# KiCad board trackpad.kicad_pcb (continued)
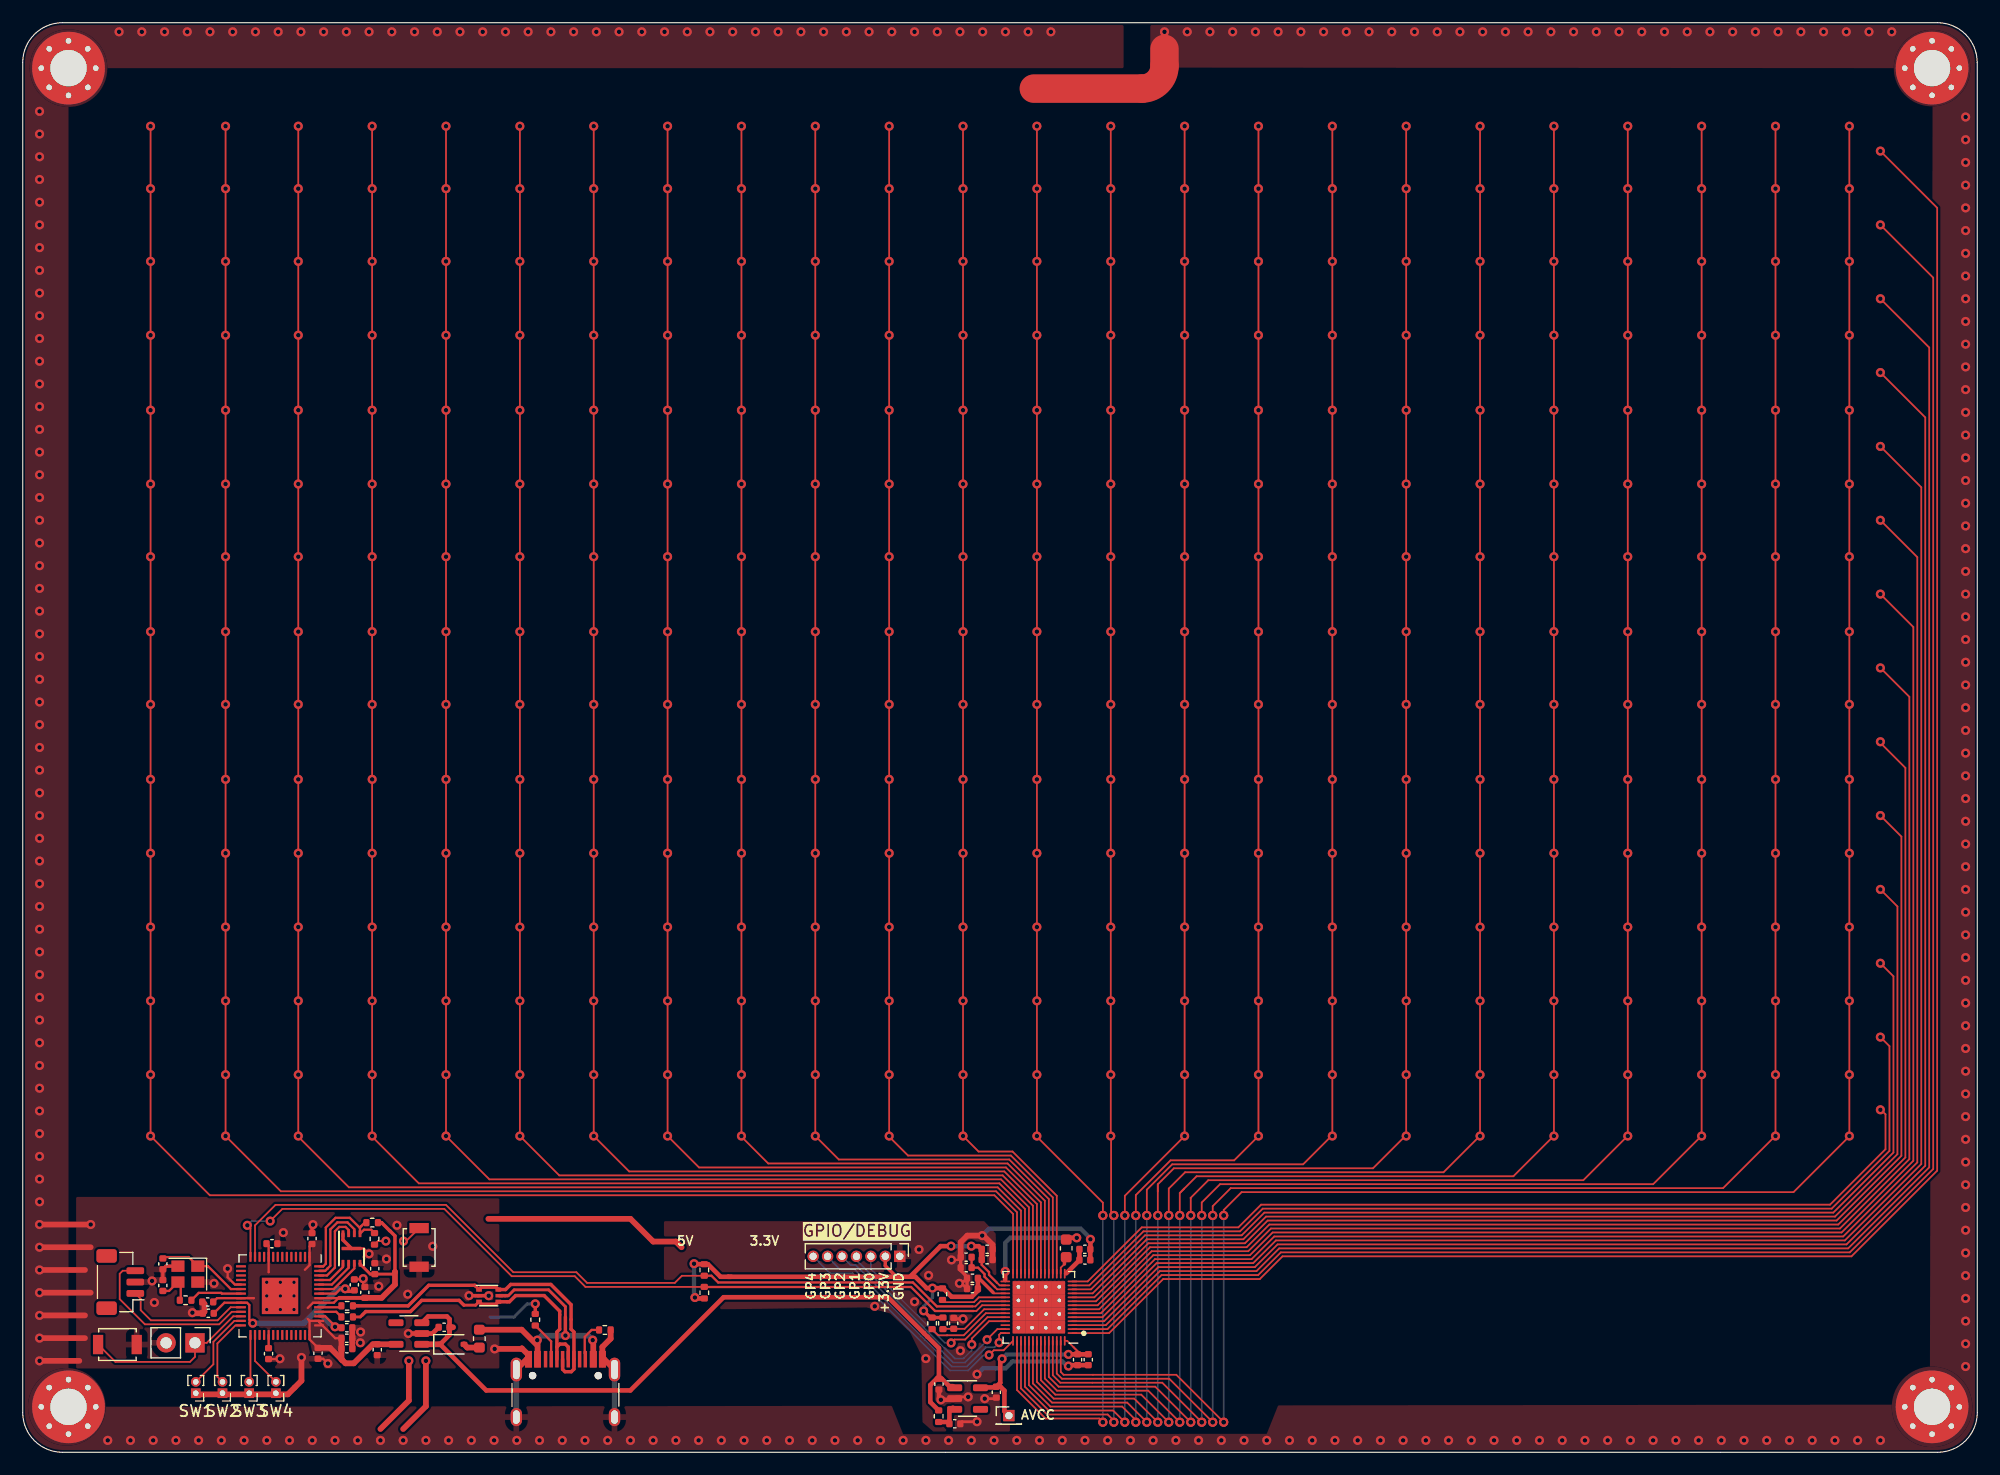
[diagram p0: board, top side]
## Copper pours and planes (outline as drawn; the poured copper is in the pictures) (continued)
/Sensor/Col3 on Bottom: 150.5,92 150.5,91.7 147.9,89.1 147.6,89.1 145,91.7 145,92 147.6,94.59 147.9,94.59
/Sensor/Col3 on Bottom: 150.5,59.5 150.5,59.2 147.9,56.6 147.6,56.6 145,59.2 145,59.5 147.6,62.09 147.9,62.09
/Sensor/Col3 on Bottom: 150.5,85.5 150.5,85.2 147.9,82.6 147.6,82.6 145,85.2 145,85.5 147.6,88.09 147.9,88.09
/Sensor/Col3 on Bottom: 150.5,33.5 150.5,33.2 147.9,30.6 147.6,30.6 145,33.2 145,33.5 147.6,36.09 147.9,36.09
/Sensor/Col3 on Bottom: 147.9,102.1 147.6,102.1 145,104.7 145,105 147.6,107.59 147.9,107.59 150.5,105 150.5,104.7
/Sensor/Col3 on Bottom: 147.9,115.1 147.6,115.1 145,117.7 145,117.85 150.5,117.85 150.5,117.7
/Sensor/Col3 on Bottom: 150.5,53 150.5,52.7 147.9,50.1 147.6,50.1 145,52.7 145,53 147.6,55.59 147.9,55.59
/Sensor/Col3 on Bottom: 150.5,66 150.5,65.7 147.9,63.1 147.6,63.1 145,65.7 145,66 147.6,68.59 147.9,68.59
/Sensor/Col3 on Bottom: 150.5,46.5 150.5,46.2 147.9,43.6 147.6,43.6 145,46.2 145,46.5 147.6,49.09 147.9,49.09
/Sensor/Col3 on Bottom: 150.5,79 150.5,78.7 147.9,76.1 147.6,76.1 145,78.7 145,79 147.6,81.59 147.9,81.59
/Sensor/Col4 on Bottom: 144,59.5 144,59.2 141.4,56.6 141.1,56.6 138.5,59.2 138.5,59.5 141.1,62.09 141.4,62.09
/Sensor/Col4 on Bottom: 141.4,29.59 144,27 144,26.85 138.5,26.85 138.5,27 141.1,29.59
/Sensor/Col4 on Bottom: 144,85.5 144,85.2 141.4,82.6 141.1,82.6 138.5,85.2 138.5,85.5 141.1,88.09 141.4,88.09
/Sensor/Col4 on Bottom: 144,40 144,39.7 141.4,37.1 141.1,37.1 138.5,39.7 138.5,40 141.1,42.59 141.4,42.59
/Sensor/Col4 on Bottom: 138.5,98.5 141.1,101.09 141.4,101.09 144,98.5 144,98.2 141.4,95.6 141.1,95.6 138.5,98.2
/Sensor/Col4 on Bottom: 144,111.5 144,111.2 141.4,108.6 141.1,108.6 138.5,111.2 138.5,111.5 141.1,114.09 141.4,114.09
/Sensor/Col4 on Bottom: 144,72.5 144,72.2 141.4,69.6 141.1,69.6 138.5,72.2 138.5,72.5 141.1,75.09 141.4,75.09
/Sensor/Col4 on Bottom: 144,66 144,65.7 141.4,63.1 141.1,63.1 138.5,65.7 138.5,66 141.1,68.59 141.4,68.59
/Sensor/Col4 on Bottom: 144,53 144,52.7 141.4,50.1 141.1,50.1 138.5,52.7 138.5,53 141.1,55.59 141.4,55.59
/Sensor/Col4 on Bottom: 144,79 144,78.7 141.4,76.1 141.1,76.1 138.5,78.7 138.5,79 141.1,81.59 141.4,81.59
/Sensor/Col4 on Bottom: 144,46.5 144,46.2 141.4,43.6 141.1,43.6 138.5,46.2 138.5,46.5 141.1,49.09 141.4,49.09
/Sensor/Col4 on Bottom: 144,105 144,104.7 141.4,102.1 141.1,102.1 138.5,104.7 138.5,105 141.1,107.59 141.4,107.59
/Sensor/Col4 on Bottom: 144,33.5 144,33.2 141.4,30.6 141.1,30.6 138.5,33.2 138.5,33.5 141.1,36.09 141.4,36.09
/Sensor/Col4 on Bottom: 144,92 144,91.7 141.4,89.1 141.1,89.1 138.5,91.7 138.5,92 141.1,94.59 141.4,94.59
/Sensor/Col4 on Bottom: 144,117.85 144,117.7 141.4,115.1 141.1,115.1 138.5,117.7 138.5,117.85
/Sensor/Col5 on Bottom: 134.9,29.59 137.5,27 137.5,26.85 132,26.85 132,27 134.6,29.59
/Sensor/Col5 on Bottom: 137.5,59.5 137.5,59.2 134.9,56.6 134.6,56.6 132,59.2 132,59.5 134.6,62.09 134.9,62.09
/Sensor/Col5 on Bottom: 132,117.85 137.5,117.85 137.5,117.7 134.9,115.1 134.6,115.1 132,117.7
/Sensor/Col5 on Bottom: 137.5,85.5 137.5,85.2 134.9,82.6 134.6,82.6 132,85.2 132,85.5 134.6,88.09 134.9,88.09
/Sensor/Col5 on Bottom: 137.5,92 137.5,91.7 134.9,89.1 134.6,89.1 132,91.7 132,92 134.6,94.59 134.9,94.59
/Sensor/Col5 on Bottom: 137.5,40 137.5,39.7 134.9,37.1 134.6,37.1 132,39.7 132,40 134.6,42.59 134.9,42.59
/Sensor/Col5 on Bottom: 137.5,46.5 137.5,46.2 134.9,43.6 134.6,43.6 132,46.2 132,46.5 134.6,49.09 134.9,49.09
/Sensor/Col5 on Bottom: 137.5,72.5 137.5,72.2 134.9,69.6 134.6,69.6 132,72.2 132,72.5 134.6,75.09 134.9,75.09
/Sensor/Col5 on Bottom: 137.5,105 137.5,104.7 134.9,102.1 134.6,102.1 132,104.7 132,105 134.6,107.59 134.9,107.59
/Sensor/Col5 on Bottom: 137.5,53 137.5,52.7 134.9,50.1 134.6,50.1 132,52.7 132,53 134.6,55.59 134.9,55.59
/Sensor/Col5 on Bottom: 137.5,98.5 137.5,98.2 134.9,95.6 134.6,95.6 132,98.2 132,98.5 134.6,101.09 134.9,101.09
/Sensor/Col5 on Bottom: 137.5,66 137.5,65.7 134.9,63.1 134.6,63.1 132,65.7 132,66 134.6,68.59 134.9,68.59
/Sensor/Col5 on Bottom: 137.5,79 137.5,78.7 134.9,76.1 134.6,76.1 132,78.7 132,79 134.6,81.59 134.9,81.59
/Sensor/Col5 on Bottom: 137.5,33.5 137.5,33.2 134.9,30.6 134.6,30.6 132,33.2 132,33.5 134.6,36.09 134.9,36.09
/Sensor/Col5 on Bottom: 134.6,108.6 132,111.2 132,111.5 134.6,114.09 134.9,114.09 137.5,111.5 137.5,111.2 134.9,108.6
/Sensor/Col6 on Bottom: 131,46.5 131,46.2 128.4,43.6 128.1,43.6 125.5,46.2 125.5,46.5 128.1,49.09 128.4,49.09
/Sensor/Col6 on Bottom: 131,53 131,52.7 128.4,50.1 128.1,50.1 125.5,52.7 125.5,53 128.1,55.59 128.4,55.59
/Sensor/Col6 on Bottom: 131,98.5 131,98.2 128.4,95.6 128.1,95.6 125.5,98.2 125.5,98.5 128.1,101.09 128.4,101.09
/Sensor/Col6 on Bottom: 131,33.5 131,33.2 128.4,30.6 128.1,30.6 125.5,33.2 125.5,33.5 128.1,36.09 128.4,36.09
/Sensor/Col6 on Bottom: 131,40 131,39.7 128.4,37.1 128.1,37.1 125.5,39.7 125.5,40 128.1,42.59 128.4,42.59
/Sensor/Col6 on Bottom: 131,59.5 131,59.2 128.4,56.6 128.1,56.6 125.5,59.2 125.5,59.5 128.1,62.09 128.4,62.09
/Sensor/Col6 on Bottom: 128.4,29.59 131,27 131,26.85 125.5,26.85 125.5,27 128.1,29.59
/Sensor/Col6 on Bottom: 125.5,117.7 125.5,117.85 131,117.85 131,117.7 128.4,115.1 128.1,115.1
/Sensor/Col6 on Bottom: 131,72.5 131,72.2 128.4,69.6 128.1,69.6 125.5,72.2 125.5,72.5 128.1,75.09 128.4,75.09
/Sensor/Col6 on Bottom: 131,79 131,78.7 128.4,76.1 128.1,76.1 125.5,78.7 125.5,79 128.1,81.59 128.4,81.59
/Sensor/Col6 on Bottom: 131,111.5 131,111.2 128.4,108.6 128.1,108.6 125.5,111.2 125.5,111.5 128.1,114.09 128.4,114.09
/Sensor/Col6 on Bottom: 131,105 131,104.7 128.4,102.1 128.1,102.1 125.5,104.7 125.5,105 128.1,107.59 128.4,107.59
/Sensor/Col6 on Bottom: 131,92 131,91.7 128.4,89.1 128.1,89.1 125.5,91.7 125.5,92 128.1,94.59 128.4,94.59
/Sensor/Col6 on Bottom: 131,66 131,65.7 128.4,63.1 128.1,63.1 125.5,65.7 125.5,66 128.1,68.59 128.4,68.59
/Sensor/Col6 on Bottom: 131,85.5 131,85.2 128.4,82.6 128.1,82.6 125.5,85.2 125.5,85.5 128.1,88.09 128.4,88.09
/Sensor/Col7 on Bottom: 121.9,29.59 124.5,27 124.5,26.85 119,26.85 119,27 121.6,29.59
/Sensor/Col7 on Bottom: 124.5,85.5 124.5,85.2 121.9,82.6 121.6,82.6 119,85.2 119,85.5 121.6,88.09 121.9,88.09
/Sensor/Col7 on Bottom: 124.5,59.5 124.5,59.2 121.9,56.6 121.6,56.6 119,59.2 119,59.5 121.6,62.09 121.9,62.09
/Sensor/Col7 on Bottom: 124.5,66 124.5,65.7 121.9,63.1 121.6,63.1 119,65.7 119,66 121.6,68.59 121.9,68.59
/Sensor/Col7 on Bottom: 124.5,79 124.5,78.7 121.9,76.1 121.6,76.1 119,78.7 119,79 121.6,81.59 121.9,81.59
/Sensor/Col7 on Bottom: 124.5,53 124.5,52.7 121.9,50.1 121.6,50.1 119,52.7 119,53 121.6,55.59 121.9,55.59
/Sensor/Col7 on Bottom: 124.5,98.5 124.5,98.2 121.9,95.6 121.6,95.6 119,98.2 119,98.5 121.6,101.09 121.9,101.09
/Sensor/Col7 on Bottom: 124.5,72.5 124.5,72.2 121.9,69.6 121.6,69.6 119,72.2 119,72.5 121.6,75.09 121.9,75.09
/Sensor/Col7 on Bottom: 124.5,40 124.5,39.7 121.9,37.1 121.6,37.1 119,39.7 119,40 121.6,42.59 121.9,42.59
/Sensor/Col7 on Bottom: 124.5,46.5 124.5,46.2 121.9,43.6 121.6,43.6 119,46.2 119,46.5 121.6,49.09 121.9,49.09
/Sensor/Col7 on Bottom: 124.5,33.5 124.5,33.2 121.9,30.6 121.6,30.6 119,33.2 119,33.5 121.6,36.09 121.9,36.09
/Sensor/Col7 on Bottom: 124.5,111.5 124.5,111.2 121.9,108.6 121.6,108.6 119,111.2 119,111.5 121.6,114.09 121.9,114.09
/Sensor/Col7 on Bottom: 124.5,105 124.5,104.7 121.9,102.1 121.6,102.1 119,104.7 119,105 121.6,107.59 121.9,107.59
/Sensor/Col7 on Bottom: 124.5,117.85 124.5,117.7 121.9,115.1 121.6,115.1 119,117.7 119,117.85
/Sensor/Col7 on Bottom: 124.5,92 124.5,91.7 121.9,89.1 121.6,89.1 119,91.7 119,92 121.6,94.59 121.9,94.59
/Sensor/Col8 on Bottom: 118,66 118,65.7 115.4,63.1 115.1,63.1 112.5,65.7 112.5,66 115.1,68.59 115.4,68.59
/Sensor/Col8 on Bottom: 118,72.5 118,72.2 115.4,69.6 115.1,69.6 112.5,72.2 112.5,72.5 115.1,75.09 115.4,75.09
/Sensor/Col8 on Bottom: 115.1,108.6 112.5,111.2 112.5,111.5 115.1,114.09 115.4,114.09 118,111.5 118,111.2 115.4,108.6
/Sensor/Col8 on Bottom: 118,85.5 118,85.2 115.4,82.6 115.1,82.6 112.5,85.2 112.5,85.5 115.1,88.09 115.4,88.09
/Sensor/Col8 on Bottom: 118,46.5 118,46.2 115.4,43.6 115.1,43.6 112.5,46.2 112.5,46.5 115.1,49.09 115.4,49.09
/Sensor/Col8 on Bottom: 118,53 118,52.7 115.4,50.1 115.1,50.1 112.5,52.7 112.5,53 115.1,55.59 115.4,55.59
/Sensor/Col8 on Bottom: 115.4,115.1 115.1,115.1 112.5,117.7 112.5,117.85 118,117.85 118,117.7
/Sensor/Col8 on Bottom: 118,92 118,91.7 115.4,89.1 115.1,89.1 112.5,91.7 112.5,92 115.1,94.59 115.4,94.59
/Sensor/Col8 on Bottom: 118,59.5 118,59.2 115.4,56.6 115.1,56.6 112.5,59.2 112.5,59.5 115.1,62.09 115.4,62.09
/Sensor/Col8 on Bottom: 118,33.5 118,33.2 115.4,30.6 115.1,30.6 112.5,33.2 112.5,33.5 115.1,36.09 115.4,36.09
/Sensor/Col8 on Bottom: 118,105 118,104.7 115.4,102.1 115.1,102.1 112.5,104.7 112.5,105 115.1,107.59 115.4,107.59
/Sensor/Col8 on Bottom: 115.4,29.59 118,27 118,26.85 112.5,26.85 112.5,27 115.1,29.59
/Sensor/Col8 on Bottom: 118,79 118,78.7 115.4,76.1 115.1,76.1 112.5,78.7 112.5,79 115.1,81.59 115.4,81.59
/Sensor/Col8 on Bottom: 118,98.5 118,98.2 115.4,95.6 115.1,95.6 112.5,98.2 112.5,98.5 115.1,101.09 115.4,101.09
/Sensor/Col8 on Bottom: 118,40 118,39.7 115.4,37.1 115.1,37.1 112.5,39.7 112.5,40 115.1,42.59 115.4,42.59
/Sensor/Col9 on Bottom: 111.5,117.7 108.9,115.1 108.6,115.1 106,117.7 106,117.85 111.5,117.85
/Sensor/Col9 on Bottom: 111.5,40 111.5,39.7 108.9,37.1 108.6,37.1 106,39.7 106,40 108.6,42.59 108.9,42.59
/Sensor/Col9 on Bottom: 111.5,79 111.5,78.7 108.9,76.1 108.6,76.1 106,78.7 106,79 108.6,81.59 108.9,81.59
/Sensor/Col9 on Bottom: 111.5,66 111.5,65.7 108.9,63.1 108.6,63.1 106,65.7 106,66 108.6,68.59 108.9,68.59
/Sensor/Col9 on Bottom: 111.5,53 111.5,52.7 108.9,50.1 108.6,50.1 106,52.7 106,53 108.6,55.59 108.9,55.59
/Sensor/Col9 on Bottom: 111.5,72.5 111.5,72.2 108.9,69.6 108.6,69.6 106,72.2 106,72.5 108.6,75.09 108.9,75.09
/Sensor/Col9 on Bottom: 111.5,46.5 111.5,46.2 108.9,43.6 108.6,43.6 106,46.2 106,46.5 108.6,49.09 108.9,49.09
/Sensor/Col9 on Bottom: 108.9,29.59 111.5,27 111.5,26.85 106,26.85 106,27 108.6,29.59
/Sensor/Col9 on Bottom: 111.5,85.5 111.5,85.2 108.9,82.6 108.6,82.6 106,85.2 106,85.5 108.6,88.09 108.9,88.09
/Sensor/Col9 on Bottom: 111.5,33.5 111.5,33.2 108.9,30.6 108.6,30.6 106,33.2 106,33.5 108.6,36.09 108.9,36.09
/Sensor/Col9 on Bottom: 111.5,98.5 111.5,98.2 108.9,95.6 108.6,95.6 106,98.2 106,98.5 108.6,101.09 108.9,101.09
/Sensor/Col9 on Bottom: 111.5,92 111.5,91.7 108.9,89.1 108.6,89.1 106,91.7 106,92 108.6,94.59 108.9,94.59
/Sensor/Col9 on Bottom: 111.5,59.5 111.5,59.2 108.9,56.6 108.6,56.6 106,59.2 106,59.5 108.6,62.09 108.9,62.09
/Sensor/Col9 on Bottom: 111.5,105 111.5,104.7 108.9,102.1 108.6,102.1 106,104.7 106,105 108.6,107.59 108.9,107.59
/Sensor/Col9 on Bottom: 108.9,108.6 108.6,108.6 106,111.2 106,111.5 108.6,114.09 108.9,114.09 111.5,111.5 111.5,111.2
/Sensor/Col10 on Bottom: 105,53 105,52.7 102.4,50.1 102.1,50.1 99.5,52.7 99.5,53 102.1,55.59 102.4,55.59
/Sensor/Col10 on Bottom: 105,33.5 105,33.2 102.4,30.6 102.1,30.6 99.5,33.2 99.5,33.5 102.1,36.09 102.4,36.09
/Sensor/Col10 on Bottom: 105,59.5 105,59.2 102.4,56.6 102.1,56.6 99.5,59.2 99.5,59.5 102.1,62.09 102.4,62.09
/Sensor/Col10 on Bottom: 105,66 105,65.7 102.4,63.1 102.1,63.1 99.5,65.7 99.5,66 102.1,68.59 102.4,68.59
/Sensor/Col10 on Bottom: 105,111.5 105,111.2 102.4,108.6 102.1,108.6 99.5,111.2 99.5,111.5 102.1,114.09 102.4,114.09
/Sensor/Col10 on Bottom: 105,46.5 105,46.2 102.4,43.6 102.1,43.6 99.5,46.2 99.5,46.5 102.1,49.09 102.4,49.09
/Sensor/Col10 on Bottom: 105,40 105,39.7 102.4,37.1 102.1,37.1 99.5,39.7 99.5,40 102.1,42.59 102.4,42.59
/Sensor/Col10 on Bottom: 105,79 105,78.7 102.4,76.1 102.1,76.1 99.5,78.7 99.5,79 102.1,81.59 102.4,81.59
/Sensor/Col10 on Bottom: 105,85.5 105,85.2 102.4,82.6 102.1,82.6 99.5,85.2 99.5,85.5 102.1,88.09 102.4,88.09
/Sensor/Col10 on Bottom: 105,92 105,91.7 102.4,89.1 102.1,89.1 99.5,91.7 99.5,92 102.1,94.59 102.4,94.59
/Sensor/Col10 on Bottom: 105,117.85 105,117.7 102.4,115.1 102.1,115.1 99.5,117.7 99.5,117.85
/Sensor/Col10 on Bottom: 105,98.5 105,98.2 102.4,95.6 102.1,95.6 99.5,98.2 99.5,98.5 102.1,101.09 102.4,101.09
/Sensor/Col10 on Bottom: 102.4,102.1 102.1,102.1 99.5,104.7 99.5,105 102.1,107.59 102.4,107.59 105,105 105,104.7
/Sensor/Col10 on Bottom: 105,72.5 105,72.2 102.4,69.6 102.1,69.6 99.5,72.2 99.5,72.5 102.1,75.09 102.4,75.09
/Sensor/Col10 on Bottom: 102.4,29.59 105,27 105,26.85 99.5,26.85 99.5,27 102.1,29.59
/Sensor/Col11 on Bottom: 98.5,98.5 98.5,98.2 95.9,95.6 95.6,95.6 93,98.2 93,98.5 95.6,101.09 95.9,101.09
/Sensor/Col11 on Bottom: 98.5,40 98.5,39.7 95.9,37.1 95.6,37.1 93,39.7 93,40 95.6,42.59 95.9,42.59
/Sensor/Col11 on Bottom: 98.5,79 98.5,78.7 95.9,76.1 95.6,76.1 93,78.7 93,79 95.6,81.59 95.9,81.59
/Sensor/Col11 on Bottom: 93,111.5 95.6,114.09 95.9,114.09 98.5,111.5 98.5,111.2 95.9,108.6 95.6,108.6 93,111.2
/Sensor/Col11 on Bottom: 98.5,46.5 98.5,46.2 95.9,43.6 95.6,43.6 93,46.2 93,46.5 95.6,49.09 95.9,49.09
/Sensor/Col11 on Bottom: 93,117.7 93,117.85 98.5,117.85 98.5,117.7 95.9,115.1 95.6,115.1
/Sensor/Col11 on Bottom: 95.9,29.59 98.5,27 98.5,26.85 93,26.85 93,27 95.6,29.59
/Sensor/Col11 on Bottom: 98.5,59.5 98.5,59.2 95.9,56.6 95.6,56.6 93,59.2 93,59.5 95.6,62.09 95.9,62.09
/Sensor/Col11 on Bottom: 98.5,66 98.5,65.7 95.9,63.1 95.6,63.1 93,65.7 93,66 95.6,68.59 95.9,68.59
/Sensor/Col11 on Bottom: 98.5,85.5 98.5,85.2 95.9,82.6 95.6,82.6 93,85.2 93,85.5 95.6,88.09 95.9,88.09
/Sensor/Col11 on Bottom: 98.5,92 98.5,91.7 95.9,89.1 95.6,89.1 93,91.7 93,92 95.6,94.59 95.9,94.59
/Sensor/Col11 on Bottom: 98.5,53 98.5,52.7 95.9,50.1 95.6,50.1 93,52.7 93,53 95.6,55.59 95.9,55.59
/Sensor/Col11 on Bottom: 98.5,105 98.5,104.7 95.9,102.1 95.6,102.1 93,104.7 93,105 95.6,107.59 95.9,107.59
/Sensor/Col11 on Bottom: 98.5,33.5 98.5,33.2 95.9,30.6 95.6,30.6 93,33.2 93,33.5 95.6,36.09 95.9,36.09
/Sensor/Col11 on Bottom: 98.5,72.5 98.5,72.2 95.9,69.6 95.6,69.6 93,72.2 93,72.5 95.6,75.09 95.9,75.09
/Sensor/Col12 on Bottom: 92,117.85 92,117.7 89.4,115.1 89.1,115.1 86.5,117.7 86.5,117.85
/Sensor/Col12 on Bottom: 92,33.5 92,33.2 89.4,30.6 89.1,30.6 86.5,33.2 86.5,33.5 89.1,36.09 89.4,36.09
/Sensor/Col12 on Bottom: 92,92 92,91.7 89.4,89.1 89.1,89.1 86.5,91.7 86.5,92 89.1,94.59 89.4,94.59
/Sensor/Col12 on Bottom: 92,72.5 92,72.2 89.4,69.6 89.1,69.6 86.5,72.2 86.5,72.5 89.1,75.09 89.4,75.09
/Sensor/Col12 on Bottom: 92,105 92,104.7 89.4,102.1 89.1,102.1 86.5,104.7 86.5,105 89.1,107.59 89.4,107.59
/Sensor/Col12 on Bottom: 92,46.5 92,46.2 89.4,43.6 89.1,43.6 86.5,46.2 86.5,46.5 89.1,49.09 89.4,49.09
/Sensor/Col12 on Bottom: 92,66 92,65.7 89.4,63.1 89.1,63.1 86.5,65.7 86.5,66 89.1,68.59 89.4,68.59
/Sensor/Col12 on Bottom: 92,79 92,78.7 89.4,76.1 89.1,76.1 86.5,78.7 86.5,79 89.1,81.59 89.4,81.59
/Sensor/Col12 on Bottom: 92,59.5 92,59.2 89.4,56.6 89.1,56.6 86.5,59.2 86.5,59.5 89.1,62.09 89.4,62.09
/Sensor/Col12 on Bottom: 92,85.5 92,85.2 89.4,82.6 89.1,82.6 86.5,85.2 86.5,85.5 89.1,88.09 89.4,88.09
/Sensor/Col12 on Bottom: 92,98.5 92,98.2 89.4,95.6 89.1,95.6 86.5,98.2 86.5,98.5 89.1,101.09 89.4,101.09
/Sensor/Col12 on Bottom: 89.4,29.59 92,27 92,26.85 86.5,26.85 86.5,27 89.1,29.59
/Sensor/Col12 on Bottom: 92,111.5 92,111.2 89.4,108.6 89.1,108.6 86.5,111.2 86.5,111.5 89.1,114.09 89.4,114.09
/Sensor/Col12 on Bottom: 92,40 92,39.7 89.4,37.1 89.1,37.1 86.5,39.7 86.5,40 89.1,42.59 89.4,42.59
/Sensor/Col12 on Bottom: 92,53 92,52.7 89.4,50.1 89.1,50.1 86.5,52.7 86.5,53 89.1,55.59 89.4,55.59
/Sensor/Col13 on Bottom: 85.5,98.5 85.5,98.2 82.9,95.6 82.6,95.6 80,98.2 80,98.5 82.6,101.09 82.9,101.09
/Sensor/Col13 on Bottom: 85.5,105 85.5,104.7 82.9,102.1 82.6,102.1 80,104.7 80,105 82.6,107.59 82.9,107.59
/Sensor/Col13 on Bottom: 85.5,66 85.5,65.7 82.9,63.1 82.6,63.1 80,65.7 80,66 82.6,68.59 82.9,68.59
/Sensor/Col13 on Bottom: 85.5,92 85.5,91.7 82.9,89.1 82.6,89.1 80,91.7 80,92 82.6,94.59 82.9,94.59
/Sensor/Col13 on Bottom: 85.5,46.5 85.5,46.2 82.9,43.6 82.6,43.6 80,46.2 80,46.5 82.6,49.09 82.9,49.09
/Sensor/Col13 on Bottom: 85.5,40 85.5,39.7 82.9,37.1 82.6,37.1 80,39.7 80,40 82.6,42.59 82.9,42.59
/Sensor/Col13 on Bottom: 85.5,59.5 85.5,59.2 82.9,56.6 82.6,56.6 80,59.2 80,59.5 82.6,62.09 82.9,62.09
/Sensor/Col13 on Bottom: 85.5,79 85.5,78.7 82.9,76.1 82.6,76.1 80,78.7 80,79 82.6,81.59 82.9,81.59
/Sensor/Col13 on Bottom: 85.5,72.5 85.5,72.2 82.9,69.6 82.6,69.6 80,72.2 80,72.5 82.6,75.09 82.9,75.09
/Sensor/Col13 on Bottom: 85.5,53 85.5,52.7 82.9,50.1 82.6,50.1 80,52.7 80,53 82.6,55.59 82.9,55.59
/Sensor/Col13 on Bottom: 82.9,115.1 82.6,115.1 80,117.7 80,117.85 85.5,117.85 85.5,117.7
/Sensor/Col13 on Bottom: 85.5,33.5 85.5,33.2 82.9,30.6 82.6,30.6 80,33.2 80,33.5 82.6,36.09 82.9,36.09
/Sensor/Col13 on Bottom: 82.9,29.59 85.5,27 85.5,26.85 80,26.85 80,27 82.6,29.59
/Sensor/Col13 on Bottom: 85.5,85.5 85.5,85.2 82.9,82.6 82.6,82.6 80,85.2 80,85.5 82.6,88.09 82.9,88.09
/Sensor/Col13 on Bottom: 85.5,111.2 82.9,108.6 82.6,108.6 80,111.2 80,111.5 82.6,114.09 82.9,114.09 85.5,111.5
/Sensor/Col14 on Bottom: 79,46.5 79,46.2 76.4,43.6 76.1,43.6 73.5,46.2 73.5,46.5 76.1,49.09 76.4,49.09
/Sensor/Col14 on Bottom: 76.4,29.59 79,27 79,26.85 73.5,26.85 73.5,27 76.1,29.59
/Sensor/Col14 on Bottom: 79,33.5 79,33.2 76.4,30.6 76.1,30.6 73.5,33.2 73.5,33.5 76.1,36.09 76.4,36.09
/Sensor/Col14 on Bottom: 79,111.5 79,111.2 76.4,108.6 76.1,108.6 73.5,111.2 73.5,111.5 76.1,114.09 76.4,114.09
/Sensor/Col14 on Bottom: 79,53 79,52.7 76.4,50.1 76.1,50.1 73.5,52.7 73.5,53 76.1,55.59 76.4,55.59
/Sensor/Col14 on Bottom: 79,92 79,91.7 76.4,89.1 76.1,89.1 73.5,91.7 73.5,92 76.1,94.59 76.4,94.59
/Sensor/Col14 on Bottom: 79,40 79,39.7 76.4,37.1 76.1,37.1 73.5,39.7 73.5,40 76.1,42.59 76.4,42.59
/Sensor/Col14 on Bottom: 79,117.85 79,117.7 76.4,115.1 76.1,115.1 73.5,117.7 73.5,117.85
/Sensor/Col14 on Bottom: 79,59.5 79,59.2 76.4,56.6 76.1,56.6 73.5,59.2 73.5,59.5 76.1,62.09 76.4,62.09
/Sensor/Col14 on Bottom: 79,79 79,78.7 76.4,76.1 76.1,76.1 73.5,78.7 73.5,79 76.1,81.59 76.4,81.59
/Sensor/Col14 on Bottom: 79,66 79,65.7 76.4,63.1 76.1,63.1 73.5,65.7 73.5,66 76.1,68.59 76.4,68.59
/Sensor/Col14 on Bottom: 79,85.5 79,85.2 76.4,82.6 76.1,82.6 73.5,85.2 73.5,85.5 76.1,88.09 76.4,88.09
/Sensor/Col14 on Bottom: 79,72.5 79,72.2 76.4,69.6 76.1,69.6 73.5,72.2 73.5,72.5 76.1,75.09 76.4,75.09
/Sensor/Col14 on Bottom: 73.5,105 76.1,107.59 76.4,107.59 79,105 79,104.7 76.4,102.1 76.1,102.1 73.5,104.7
/Sensor/Col14 on Bottom: 79,98.5 79,98.2 76.4,95.6 76.1,95.6 73.5,98.2 73.5,98.5 76.1,101.09 76.4,101.09
/Sensor/Col15 on Bottom: 72.5,111.5 72.5,111.2 69.9,108.6 69.6,108.6 67,111.2 67,111.5 69.6,114.09 69.9,114.09
/Sensor/Col15 on Bottom: 72.5,117.85 72.5,117.7 69.9,115.1 69.6,115.1 67,117.7 67,117.85
/Sensor/Col15 on Bottom: 72.5,79 72.5,78.7 69.9,76.1 69.6,76.1 67,78.7 67,79 69.6,81.59 69.9,81.59
/Sensor/Col15 on Bottom: 72.5,98.5 72.5,98.2 69.9,95.6 69.6,95.6 67,98.2 67,98.5 69.6,101.09 69.9,101.09
/Sensor/Col15 on Bottom: 72.5,66 72.5,65.7 69.9,63.1 69.6,63.1 67,65.7 67,66 69.6,68.59 69.9,68.59
/Sensor/Col15 on Bottom: 72.5,72.5 72.5,72.2 69.9,69.6 69.6,69.6 67,72.2 67,72.5 69.6,75.09 69.9,75.09
/Sensor/Col15 on Bottom: 72.5,46.5 72.5,46.2 69.9,43.6 69.6,43.6 67,46.2 67,46.5 69.6,49.09 69.9,49.09
/Sensor/Col15 on Bottom: 69.9,29.59 72.5,27 72.5,26.85 67,26.85 67,27 69.6,29.59
/Sensor/Col15 on Bottom: 72.5,33.5 72.5,33.2 69.9,30.6 69.6,30.6 67,33.2 67,33.5 69.6,36.09 69.9,36.09
/Sensor/Col15 on Bottom: 72.5,40 72.5,39.7 69.9,37.1 69.6,37.1 67,39.7 67,40 69.6,42.59 69.9,42.59
/Sensor/Col15 on Bottom: 72.5,53 72.5,52.7 69.9,50.1 69.6,50.1 67,52.7 67,53 69.6,55.59 69.9,55.59
/Sensor/Col15 on Bottom: 72.5,92 72.5,91.7 69.9,89.1 69.6,89.1 67,91.7 67,92 69.6,94.59 69.9,94.59
/Sensor/Col15 on Bottom: 72.5,105 72.5,104.7 69.9,102.1 69.6,102.1 67,104.7 67,105 69.6,107.59 69.9,107.59
/Sensor/Col15 on Bottom: 72.5,59.5 72.5,59.2 69.9,56.6 69.6,56.6 67,59.2 67,59.5 69.6,62.09 69.9,62.09
/Sensor/Col15 on Bottom: 72.5,85.5 72.5,85.2 69.9,82.6 69.6,82.6 67,85.2 67,85.5 69.6,88.09 69.9,88.09
/Sensor/Col16 on Bottom: 66,72.5 66,72.2 63.4,69.6 63.1,69.6 60.5,72.2 60.5,72.5 63.1,75.09 63.4,75.09
/Sensor/Col16 on Bottom: 63.4,29.59 66,27 66,26.85 60.5,26.85 60.5,27 63.1,29.59
/Sensor/Col16 on Bottom: 66,53 66,52.7 63.4,50.1 63.1,50.1 60.5,52.7 60.5,53 63.1,55.59 63.4,55.59
/Sensor/Col16 on Bottom: 66,85.5 66,85.2 63.4,82.6 63.1,82.6 60.5,85.2 60.5,85.5 63.1,88.09 63.4,88.09
/Sensor/Col16 on Bottom: 66,66 66,65.7 63.4,63.1 63.1,63.1 60.5,65.7 60.5,66 63.1,68.59 63.4,68.59
/Sensor/Col16 on Bottom: 66,105 66,104.7 63.4,102.1 63.1,102.1 60.5,104.7 60.5,105 63.1,107.59 63.4,107.59
/Sensor/Col16 on Bottom: 66,98.5 66,98.2 63.4,95.6 63.1,95.6 60.5,98.2 60.5,98.5 63.1,101.09 63.4,101.09
/Sensor/Col16 on Bottom: 66,33.5 66,33.2 63.4,30.6 63.1,30.6 60.5,33.2 60.5,33.5 63.1,36.09 63.4,36.09
/Sensor/Col16 on Bottom: 66,46.5 66,46.2 63.4,43.6 63.1,43.6 60.5,46.2 60.5,46.5 63.1,49.09 63.4,49.09
/Sensor/Col16 on Bottom: 66,40 66,39.7 63.4,37.1 63.1,37.1 60.5,39.7 60.5,40 63.1,42.59 63.4,42.59
/Sensor/Col16 on Bottom: 66,59.5 66,59.2 63.4,56.6 63.1,56.6 60.5,59.2 60.5,59.5 63.1,62.09 63.4,62.09
/Sensor/Col16 on Bottom: 66,92 66,91.7 63.4,89.1 63.1,89.1 60.5,91.7 60.5,92 63.1,94.59 63.4,94.59
/Sensor/Col16 on Bottom: 63.4,115.1 63.1,115.1 60.5,117.7 60.5,117.85 66,117.85 66,117.7
/Sensor/Col16 on Bottom: 66,111.5 66,111.2 63.4,108.6 63.1,108.6 60.5,111.2 60.5,111.5 63.1,114.09 63.4,114.09
/Sensor/Col16 on Bottom: 66,79 66,78.7 63.4,76.1 63.1,76.1 60.5,78.7 60.5,79 63.1,81.59 63.4,81.59
/Sensor/Col17 on Bottom: 59.5,40 59.5,39.7 56.9,37.1 56.6,37.1 54,39.7 54,40 56.6,42.59 56.9,42.59
/Sensor/Col17 on Bottom: 56.9,114.09 59.5,111.5 59.5,111.2 56.9,108.6 56.6,108.6 54,111.2 54,111.5 56.6,114.09
/Sensor/Col17 on Bottom: 59.5,66 59.5,65.7 56.9,63.1 56.6,63.1 54,65.7 54,66 56.6,68.59 56.9,68.59
/Sensor/Col17 on Bottom: 59.5,53 59.5,52.7 56.9,50.1 56.6,50.1 54,52.7 54,53 56.6,55.59 56.9,55.59
/Sensor/Col17 on Bottom: 59.5,92 59.5,91.7 56.9,89.1 56.6,89.1 54,91.7 54,92 56.6,94.59 56.9,94.59
/Sensor/Col17 on Bottom: 59.5,117.85 59.5,117.7 56.9,115.1 56.6,115.1 54,117.7 54,117.85
/Sensor/Col17 on Bottom: 59.5,59.5 59.5,59.2 56.9,56.6 56.6,56.6 54,59.2 54,59.5 56.6,62.09 56.9,62.09
/Sensor/Col17 on Bottom: 59.5,46.5 59.5,46.2 56.9,43.6 56.6,43.6 54,46.2 54,46.5 56.6,49.09 56.9,49.09
/Sensor/Col17 on Bottom: 59.5,72.5 59.5,72.2 56.9,69.6 56.6,69.6 54,72.2 54,72.5 56.6,75.09 56.9,75.09
/Sensor/Col17 on Bottom: 59.5,33.5 59.5,33.2 56.9,30.6 56.6,30.6 54,33.2 54,33.5 56.6,36.09 56.9,36.09
/Sensor/Col17 on Bottom: 56.9,29.59 59.5,27 59.5,26.85 54,26.85 54,27 56.6,29.59
/Sensor/Col17 on Bottom: 59.5,85.5 59.5,85.2 56.9,82.6 56.6,82.6 54,85.2 54,85.5 56.6,88.09 56.9,88.09
/Sensor/Col17 on Bottom: 59.5,79 59.5,78.7 56.9,76.1 56.6,76.1 54,78.7 54,79 56.6,81.59 56.9,81.59
/Sensor/Col17 on Bottom: 59.5,105 59.5,104.7 56.9,102.1 56.6,102.1 54,104.7 54,105 56.6,107.59 56.9,107.59
/Sensor/Col17 on Bottom: 59.5,98.5 59.5,98.2 56.9,95.6 56.6,95.6 54,98.2 54,98.5 56.6,101.09 56.9,101.09
/Sensor/Col18 on Bottom: 53,59.5 53,59.2 50.4,56.6 50.1,56.6 47.5,59.2 47.5,59.5 50.1,62.09 50.4,62.09
/Sensor/Col18 on Bottom: 53,105 53,104.7 50.4,102.1 50.1,102.1 47.5,104.7 47.5,105 50.1,107.59 50.4,107.59
/Sensor/Col18 on Bottom: 53,46.5 53,46.2 50.4,43.6 50.1,43.6 47.5,46.2 47.5,46.5 50.1,49.09 50.4,49.09
/Sensor/Col18 on Bottom: 53,85.5 53,85.2 50.4,82.6 50.1,82.6 47.5,85.2 47.5,85.5 50.1,88.09 50.4,88.09
/Sensor/Col18 on Bottom: 50.4,115.1 50.1,115.1 47.5,117.7 47.5,117.85 53,117.85 53,117.7
/Sensor/Col18 on Bottom: 53,53 53,52.7 50.4,50.1 50.1,50.1 47.5,52.7 47.5,53 50.1,55.59 50.4,55.59
/Sensor/Col18 on Bottom: 53,111.5 53,111.2 50.4,108.6 50.1,108.6 47.5,111.2 47.5,111.5 50.1,114.09 50.4,114.09
/Sensor/Col18 on Bottom: 50.4,29.59 53,27 53,26.85 47.5,26.85 47.5,27 50.1,29.59
/Sensor/Col18 on Bottom: 53,72.5 53,72.2 50.4,69.6 50.1,69.6 47.5,72.2 47.5,72.5 50.1,75.09 50.4,75.09
/Sensor/Col18 on Bottom: 53,66 53,65.7 50.4,63.1 50.1,63.1 47.5,65.7 47.5,66 50.1,68.59 50.4,68.59
/Sensor/Col18 on Bottom: 53,92 53,91.7 50.4,89.1 50.1,89.1 47.5,91.7 47.5,92 50.1,94.59 50.4,94.59
/Sensor/Col18 on Bottom: 53,98.5 53,98.2 50.4,95.6 50.1,95.6 47.5,98.2 47.5,98.5 50.1,101.09 50.4,101.09
/Sensor/Col18 on Bottom: 53,40 53,39.7 50.4,37.1 50.1,37.1 47.5,39.7 47.5,40 50.1,42.59 50.4,42.59
/Sensor/Col18 on Bottom: 53,33.5 53,33.2 50.4,30.6 50.1,30.6 47.5,33.2 47.5,33.5 50.1,36.09 50.4,36.09
/Sensor/Col18 on Bottom: 53,79 53,78.7 50.4,76.1 50.1,76.1 47.5,78.7 47.5,79 50.1,81.59 50.4,81.59
/Sensor/Col19 on Bottom: 46.5,33.5 46.5,33.2 43.9,30.6 43.6,30.6 41,33.2 41,33.5 43.6,36.09 43.9,36.09
/Sensor/Col19 on Bottom: 43.9,29.59 46.5,27 46.5,26.85 41,26.85 41,27 43.6,29.59
/Sensor/Col19 on Bottom: 46.5,72.5 46.5,72.2 43.9,69.6 43.6,69.6 41,72.2 41,72.5 43.6,75.09 43.9,75.09
/Sensor/Col19 on Bottom: 46.5,53 46.5,52.7 43.9,50.1 43.6,50.1 41,52.7 41,53 43.6,55.59 43.9,55.59
/Sensor/Col19 on Bottom: 46.5,92 46.5,91.7 43.9,89.1 43.6,89.1 41,91.7 41,92 43.6,94.59 43.9,94.59
/Sensor/Col19 on Bottom: 46.5,85.5 46.5,85.2 43.9,82.6 43.6,82.6 41,85.2 41,85.5 43.6,88.09 43.9,88.09
/Sensor/Col19 on Bottom: 46.5,66 46.5,65.7 43.9,63.1 43.6,63.1 41,65.7 41,66 43.6,68.59 43.9,68.59
/Sensor/Col19 on Bottom: 46.5,98.5 46.5,98.2 43.9,95.6 43.6,95.6 41,98.2 41,98.5 43.6,101.09 43.9,101.09
/Sensor/Col19 on Bottom: 46.5,59.5 46.5,59.2 43.9,56.6 43.6,56.6 41,59.2 41,59.5 43.6,62.09 43.9,62.09
/Sensor/Col19 on Bottom: 46.5,79 46.5,78.7 43.9,76.1 43.6,76.1 41,78.7 41,79 43.6,81.59 43.9,81.59
/Sensor/Col19 on Bottom: 46.5,46.5 46.5,46.2 43.9,43.6 43.6,43.6 41,46.2 41,46.5 43.6,49.09 43.9,49.09
/Sensor/Col19 on Bottom: 46.5,104.7 43.9,102.1 43.6,102.1 41,104.7 41,105 43.6,107.59 43.9,107.59 46.5,105
/Sensor/Col19 on Bottom: 46.5,111.5 46.5,111.2 43.9,108.6 43.6,108.6 41,111.2 41,111.5 43.6,114.09 43.9,114.09
/Sensor/Col19 on Bottom: 46.5,40 46.5,39.7 43.9,37.1 43.6,37.1 41,39.7 41,40 43.6,42.59 43.9,42.59
/Sensor/Col19 on Bottom: 41,117.7 41,117.85 46.5,117.85 46.5,117.7 43.9,115.1 43.6,115.1
/Sensor/Col20 on Bottom: 40,98.5 40,98.2 37.4,95.6 37.1,95.6 34.5,98.2 34.5,98.5 37.1,101.09 37.4,101.09
/Sensor/Col20 on Bottom: 40,117.85 40,117.7 37.4,115.1 37.1,115.1 34.5,117.7 34.5,117.85
/Sensor/Col20 on Bottom: 40,72.5 40,72.2 37.4,69.6 37.1,69.6 34.5,72.2 34.5,72.5 37.1,75.09 37.4,75.09
/Sensor/Col20 on Bottom: 40,59.5 40,59.2 37.4,56.6 37.1,56.6 34.5,59.2 34.5,59.5 37.1,62.09 37.4,62.09
/Sensor/Col20 on Bottom: 40,33.5 40,33.2 37.4,30.6 37.1,30.6 34.5,33.2 34.5,33.5 37.1,36.09 37.4,36.09
/Sensor/Col20 on Bottom: 40,66 40,65.7 37.4,63.1 37.1,63.1 34.5,65.7 34.5,66 37.1,68.59 37.4,68.59
/Sensor/Col20 on Bottom: 40,111.5 40,111.2 37.4,108.6 37.1,108.6 34.5,111.2 34.5,111.5 37.1,114.09 37.4,114.09
/Sensor/Col20 on Bottom: 40,40 40,39.7 37.4,37.1 37.1,37.1 34.5,39.7 34.5,40 37.1,42.59 37.4,42.59
/Sensor/Col20 on Bottom: 40,53 40,52.7 37.4,50.1 37.1,50.1 34.5,52.7 34.5,53 37.1,55.59 37.4,55.59
/Sensor/Col20 on Bottom: 40,46.5 40,46.2 37.4,43.6 37.1,43.6 34.5,46.2 34.5,46.5 37.1,49.09 37.4,49.09
/Sensor/Col20 on Bottom: 37.4,29.59 40,27 40,26.85 34.5,26.85 34.5,27 37.1,29.59
/Sensor/Col20 on Bottom: 40,92 40,91.7 37.4,89.1 37.1,89.1 34.5,91.7 34.5,92 37.1,94.59 37.4,94.59
/Sensor/Col20 on Bottom: 40,79 40,78.7 37.4,76.1 37.1,76.1 34.5,78.7 34.5,79 37.1,81.59 37.4,81.59
/Sensor/Col20 on Bottom: 40,85.5 40,85.2 37.4,82.6 37.1,82.6 34.5,85.2 34.5,85.5 37.1,88.09 37.4,88.09
/Sensor/Col20 on Bottom: 40,105 40,104.7 37.4,102.1 37.1,102.1 34.5,104.7 34.5,105 37.1,107.59 37.4,107.59
/Sensor/Col21 on Bottom: 33.5,105 33.5,104.7 30.9,102.1 30.6,102.1 28,104.7 28,105 30.6,107.59 30.9,107.59
/Sensor/Col21 on Bottom: 33.5,33.5 33.5,33.2 30.9,30.6 30.6,30.6 28,33.2 28,33.5 30.6,36.09 30.9,36.09
/Sensor/Col21 on Bottom: 33.5,46.5 33.5,46.2 30.9,43.6 30.6,43.6 28,46.2 28,46.5 30.6,49.09 30.9,49.09
/Sensor/Col21 on Bottom: 33.5,117.85 33.5,117.7 30.9,115.1 30.6,115.1 28,117.7 28,117.85
/Sensor/Col21 on Bottom: 30.9,114.09 33.5,111.5 33.5,111.2 30.9,108.6 30.6,108.6 28,111.2 28,111.5 30.6,114.09
/Sensor/Col21 on Bottom: 33.5,40 33.5,39.7 30.9,37.1 30.6,37.1 28,39.7 28,40 30.6,42.59 30.9,42.59
/Sensor/Col21 on Bottom: 33.5,53 33.5,52.7 30.9,50.1 30.6,50.1 28,52.7 28,53 30.6,55.59 30.9,55.59
/Sensor/Col21 on Bottom: 33.5,66 33.5,65.7 30.9,63.1 30.6,63.1 28,65.7 28,66 30.6,68.59 30.9,68.59
/Sensor/Col21 on Bottom: 33.5,85.5 33.5,85.2 30.9,82.6 30.6,82.6 28,85.2 28,85.5 30.6,88.09 30.9,88.09
/Sensor/Col21 on Bottom: 30.9,29.59 33.5,27 33.5,26.85 28,26.85 28,27 30.6,29.59
/Sensor/Col21 on Bottom: 33.5,92 33.5,91.7 30.9,89.1 30.6,89.1 28,91.7 28,92 30.6,94.59 30.9,94.59
/Sensor/Col21 on Bottom: 33.5,72.5 33.5,72.2 30.9,69.6 30.6,69.6 28,72.2 28,72.5 30.6,75.09 30.9,75.09
/Sensor/Col21 on Bottom: 33.5,98.5 33.5,98.2 30.9,95.6 30.6,95.6 28,98.2 28,98.5 30.6,101.09 30.9,101.09
/Sensor/Col21 on Bottom: 33.5,79 33.5,78.7 30.9,76.1 30.6,76.1 28,78.7 28,79 30.6,81.59 30.9,81.59
/Sensor/Col21 on Bottom: 33.5,59.5 33.5,59.2 30.9,56.6 30.6,56.6 28,59.2 28,59.5 30.6,62.09 30.9,62.09
/Sensor/Col22 on Bottom: 27,33.5 27,33.2 24.4,30.6 24.1,30.6 21.5,33.2 21.5,33.5 24.1,36.09 24.4,36.09
/Sensor/Col22 on Bottom: 24.4,115.1 24.1,115.1 21.5,117.7 21.5,117.85 27,117.85 27,117.7
/Sensor/Col22 on Bottom: 27,53 27,52.7 24.4,50.1 24.1,50.1 21.5,52.7 21.5,53 24.1,55.59 24.4,55.59
/Sensor/Col22 on Bottom: 27,46.5 27,46.2 24.4,43.6 24.1,43.6 21.5,46.2 21.5,46.5 24.1,49.09 24.4,49.09
/Sensor/Col22 on Bottom: 27,79 27,78.7 24.4,76.1 24.1,76.1 21.5,78.7 21.5,79 24.1,81.59 24.4,81.59
/Sensor/Col22 on Bottom: 27,66 27,65.7 24.4,63.1 24.1,63.1 21.5,65.7 21.5,66 24.1,68.59 24.4,68.59
/Sensor/Col22 on Bottom: 24.4,29.59 27,27 27,26.85 21.5,26.85 21.5,27 24.1,29.59
/Sensor/Col22 on Bottom: 27,92 27,91.7 24.4,89.1 24.1,89.1 21.5,91.7 21.5,92 24.1,94.59 24.4,94.59
/Sensor/Col22 on Bottom: 27,59.5 27,59.2 24.4,56.6 24.1,56.6 21.5,59.2 21.5,59.5 24.1,62.09 24.4,62.09
/Sensor/Col22 on Bottom: 27,105 27,104.7 24.4,102.1 24.1,102.1 21.5,104.7 21.5,105 24.1,107.59 24.4,107.59
/Sensor/Col22 on Bottom: 27,40 27,39.7 24.4,37.1 24.1,37.1 21.5,39.7 21.5,40 24.1,42.59 24.4,42.59
/Sensor/Col22 on Bottom: 27,72.5 27,72.2 24.4,69.6 24.1,69.6 21.5,72.2 21.5,72.5 24.1,75.09 24.4,75.09
/Sensor/Col22 on Bottom: 21.5,111.2 21.5,111.5 24.1,114.09 24.4,114.09 27,111.5 27,111.2 24.4,108.6 24.1,108.6
/Sensor/Col22 on Bottom: 27,98.5 27,98.2 24.4,95.6 24.1,95.6 21.5,98.2 21.5,98.5 24.1,101.09 24.4,101.09
/Sensor/Col22 on Bottom: 27,85.5 27,85.2 24.4,82.6 24.1,82.6 21.5,85.2 21.5,85.5 24.1,88.09 24.4,88.09
/Sensor/Col23 on Bottom: 20.5,92 20.5,91.7 17.9,89.1 17.6,89.1 15,91.7 15,92 17.6,94.59 17.9,94.59
/Sensor/Col23 on Bottom: 20.5,105 20.5,104.7 17.9,102.1 17.6,102.1 15,104.7 15,105 17.6,107.59 17.9,107.59
/Sensor/Col23 on Bottom: 20.5,117.85 20.5,117.7 17.9,115.1 17.6,115.1 15,117.7 15,117.85
/Sensor/Col23 on Bottom: 17.9,29.59 20.5,27 20.5,26.85 15,26.85 15,27 17.6,29.59
/Sensor/Col23 on Bottom: 20.5,33.5 20.5,33.2 17.9,30.6 17.6,30.6 15,33.2 15,33.5 17.6,36.09 17.9,36.09
/Sensor/Col23 on Bottom: 20.5,53 20.5,52.7 17.9,50.1 17.6,50.1 15,52.7 15,53 17.6,55.59 17.9,55.59
/Sensor/Col23 on Bottom: 20.5,79 20.5,78.7 17.9,76.1 17.6,76.1 15,78.7 15,79 17.6,81.59 17.9,81.59
/Sensor/Col23 on Bottom: 20.5,66 20.5,65.7 17.9,63.1 17.6,63.1 15,65.7 15,66 17.6,68.59 17.9,68.59
/Sensor/Col23 on Bottom: 20.5,98.5 20.5,98.2 17.9,95.6 17.6,95.6 15,98.2 15,98.5 17.6,101.09 17.9,101.09
/Sensor/Col23 on Bottom: 20.5,85.5 20.5,85.2 17.9,82.6 17.6,82.6 15,85.2 15,85.5 17.6,88.09 17.9,88.09
/Sensor/Col23 on Bottom: 20.5,72.5 20.5,72.2 17.9,69.6 17.6,69.6 15,72.2 15,72.5 17.6,75.09 17.9,75.09
/Sensor/Col23 on Bottom: 20.5,46.5 20.5,46.2 17.9,43.6 17.6,43.6 15,46.2 15,46.5 17.6,49.09 17.9,49.09
/Sensor/Col23 on Bottom: 20.5,40 20.5,39.7 17.9,37.1 17.6,37.1 15,39.7 15,40 17.6,42.59 17.9,42.59
/Sensor/Col23 on Bottom: 20.5,111.5 20.5,111.2 17.9,108.6 17.6,108.6 15,111.2 15,111.5 17.6,114.09 17.9,114.09
/Sensor/Col23 on Bottom: 20.5,59.5 20.5,59.2 17.9,56.6 17.6,56.6 15,59.2 15,59.5 17.6,62.09 17.9,62.09
/Sensor/Col24 on Bottom: 11.4,29.59 14,27 14,26.85 11.2,26.85 9.12,27.61 11.1,29.59
/Sensor/Col24 on Bottom: 14,46.5 14,46.2 11.4,43.6 11.1,43.6 8.5,46.2 8.5,46.5 11.1,49.09 11.4,49.09
/Sensor/Col24 on Bottom: 14,85.5 14,85.2 11.4,82.6 11.1,82.6 8.5,85.2 8.5,85.5 11.1,88.09 11.4,88.09
/Sensor/Col24 on Bottom: 14,92 14,91.7 11.4,89.1 11.1,89.1 8.5,91.7 8.5,92 11.1,94.59 11.4,94.59
/Sensor/Col24 on Bottom: 14,98.5 14,98.2 11.4,95.6 11.1,95.6 8.5,98.2 8.5,98.5 11.1,101.09 11.4,101.09
/Sensor/Col24 on Bottom: 14,79 14,78.7 11.4,76.1 11.1,76.1 8.5,78.7 8.5,79 11.1,81.59 11.4,81.59
/Sensor/Col24 on Bottom: 14,105 14,104.7 11.4,102.1 11.1,102.1 8.5,104.7 8.5,105 11.1,107.59 11.4,107.59
/Sensor/Col24 on Bottom: 14,111.5 14,111.2 11.4,108.6 11.1,108.6 8.5,111.2 8.5,111.5 11.1,114.09 11.4,114.09
/Sensor/Col24 on Bottom: 14,40 14,39.7 11.4,37.1 11.1,37.1 8.5,39.7 8.5,40 11.1,42.59 11.4,42.59
/Sensor/Col24 on Bottom: 14,33.5 14,33.2 11.4,30.6 11.1,30.6 8.5,33.2 8.5,33.5 11.1,36.09 11.4,36.09
/Sensor/Col24 on Bottom: 14,72.5 14,72.2 11.4,69.6 11.1,69.6 8.5,72.2 8.5,72.5 11.1,75.09 11.4,75.09
/Sensor/Col24 on Bottom: 14,53 14,52.7 11.4,50.1 11.1,50.1 8.5,52.7 8.5,53 11.1,55.59 11.4,55.59
/Sensor/Col24 on Bottom: 14,59.5 14,59.2 11.4,56.6 11.1,56.6 8.5,59.2 8.5,59.5 11.1,62.09 11.4,62.09
/Sensor/Col24 on Bottom: 11.2,117.85 14,117.85 14,117.7 11.4,115.1 11.1,115.1 9.12,117.08
/Sensor/Col24 on Bottom: 14,66 14,65.7 11.4,63.1 11.1,63.1 8.5,65.7 8.5,66 11.1,68.59 11.4,68.59
/Sensor/Row1 on Bottom: outline of 292 points within 8,111.85 164,117.34
/Sensor/Row2 on Bottom: outline of 292 points within 8,105.35 164,110.84
/Sensor/Row3 on Bottom: outline of 292 points within 8,98.85 164,104.34
/Sensor/Row4 on Bottom: outline of 292 points within 8,92.35 164,97.84
/Sensor/Row5 on Bottom: outline of 292 points within 8,85.85 164,91.34
/Sensor/Row6 on Bottom: outline of 292 points within 8,79.35 164,84.84
/Sensor/Row7 on Bottom: outline of 292 points within 8,72.85 164,78.34
/Sensor/Row8 on Bottom: outline of 292 points within 8,66.35 164,71.84
/Sensor/Row9 on Bottom: outline of 292 points within 8,59.85 164,65.34
/Sensor/Row10 on Bottom: outline of 292 points within 8,53.35 164,58.84
/Sensor/Row11 on Bottom: outline of 292 points within 8,46.85 164,52.34
/Sensor/Row12 on Bottom: outline of 292 points within 8,40.35 164,45.84
/Sensor/Row13 on Bottom: outline of 292 points within 8,33.85 164,39.34
/Sensor/Row14 on Bottom: outline of 292 points within 8,27.35 164,32.84

## Text on the board
User.Comments: We cannot have any floating metal regions near the sensor. / Any metal must be grounded so it doesn't generate capacitive / touch events. | Driven shield should be: / * {dblquote}Reasonably thick{dblquote} / * At least 0.3mm from GND fills. Ideally 0.5mm. / * 1-3mm from the sensor.
F.Silkscreen: 5V | 3.3V | AVCC | GP4 / GP3 / GP2 / GP1 / GP0 / +3.3V / GND | GPIO/DEBUG
